# KiCad board polygonus-Shortage-Version.kicad_pcb (continued)
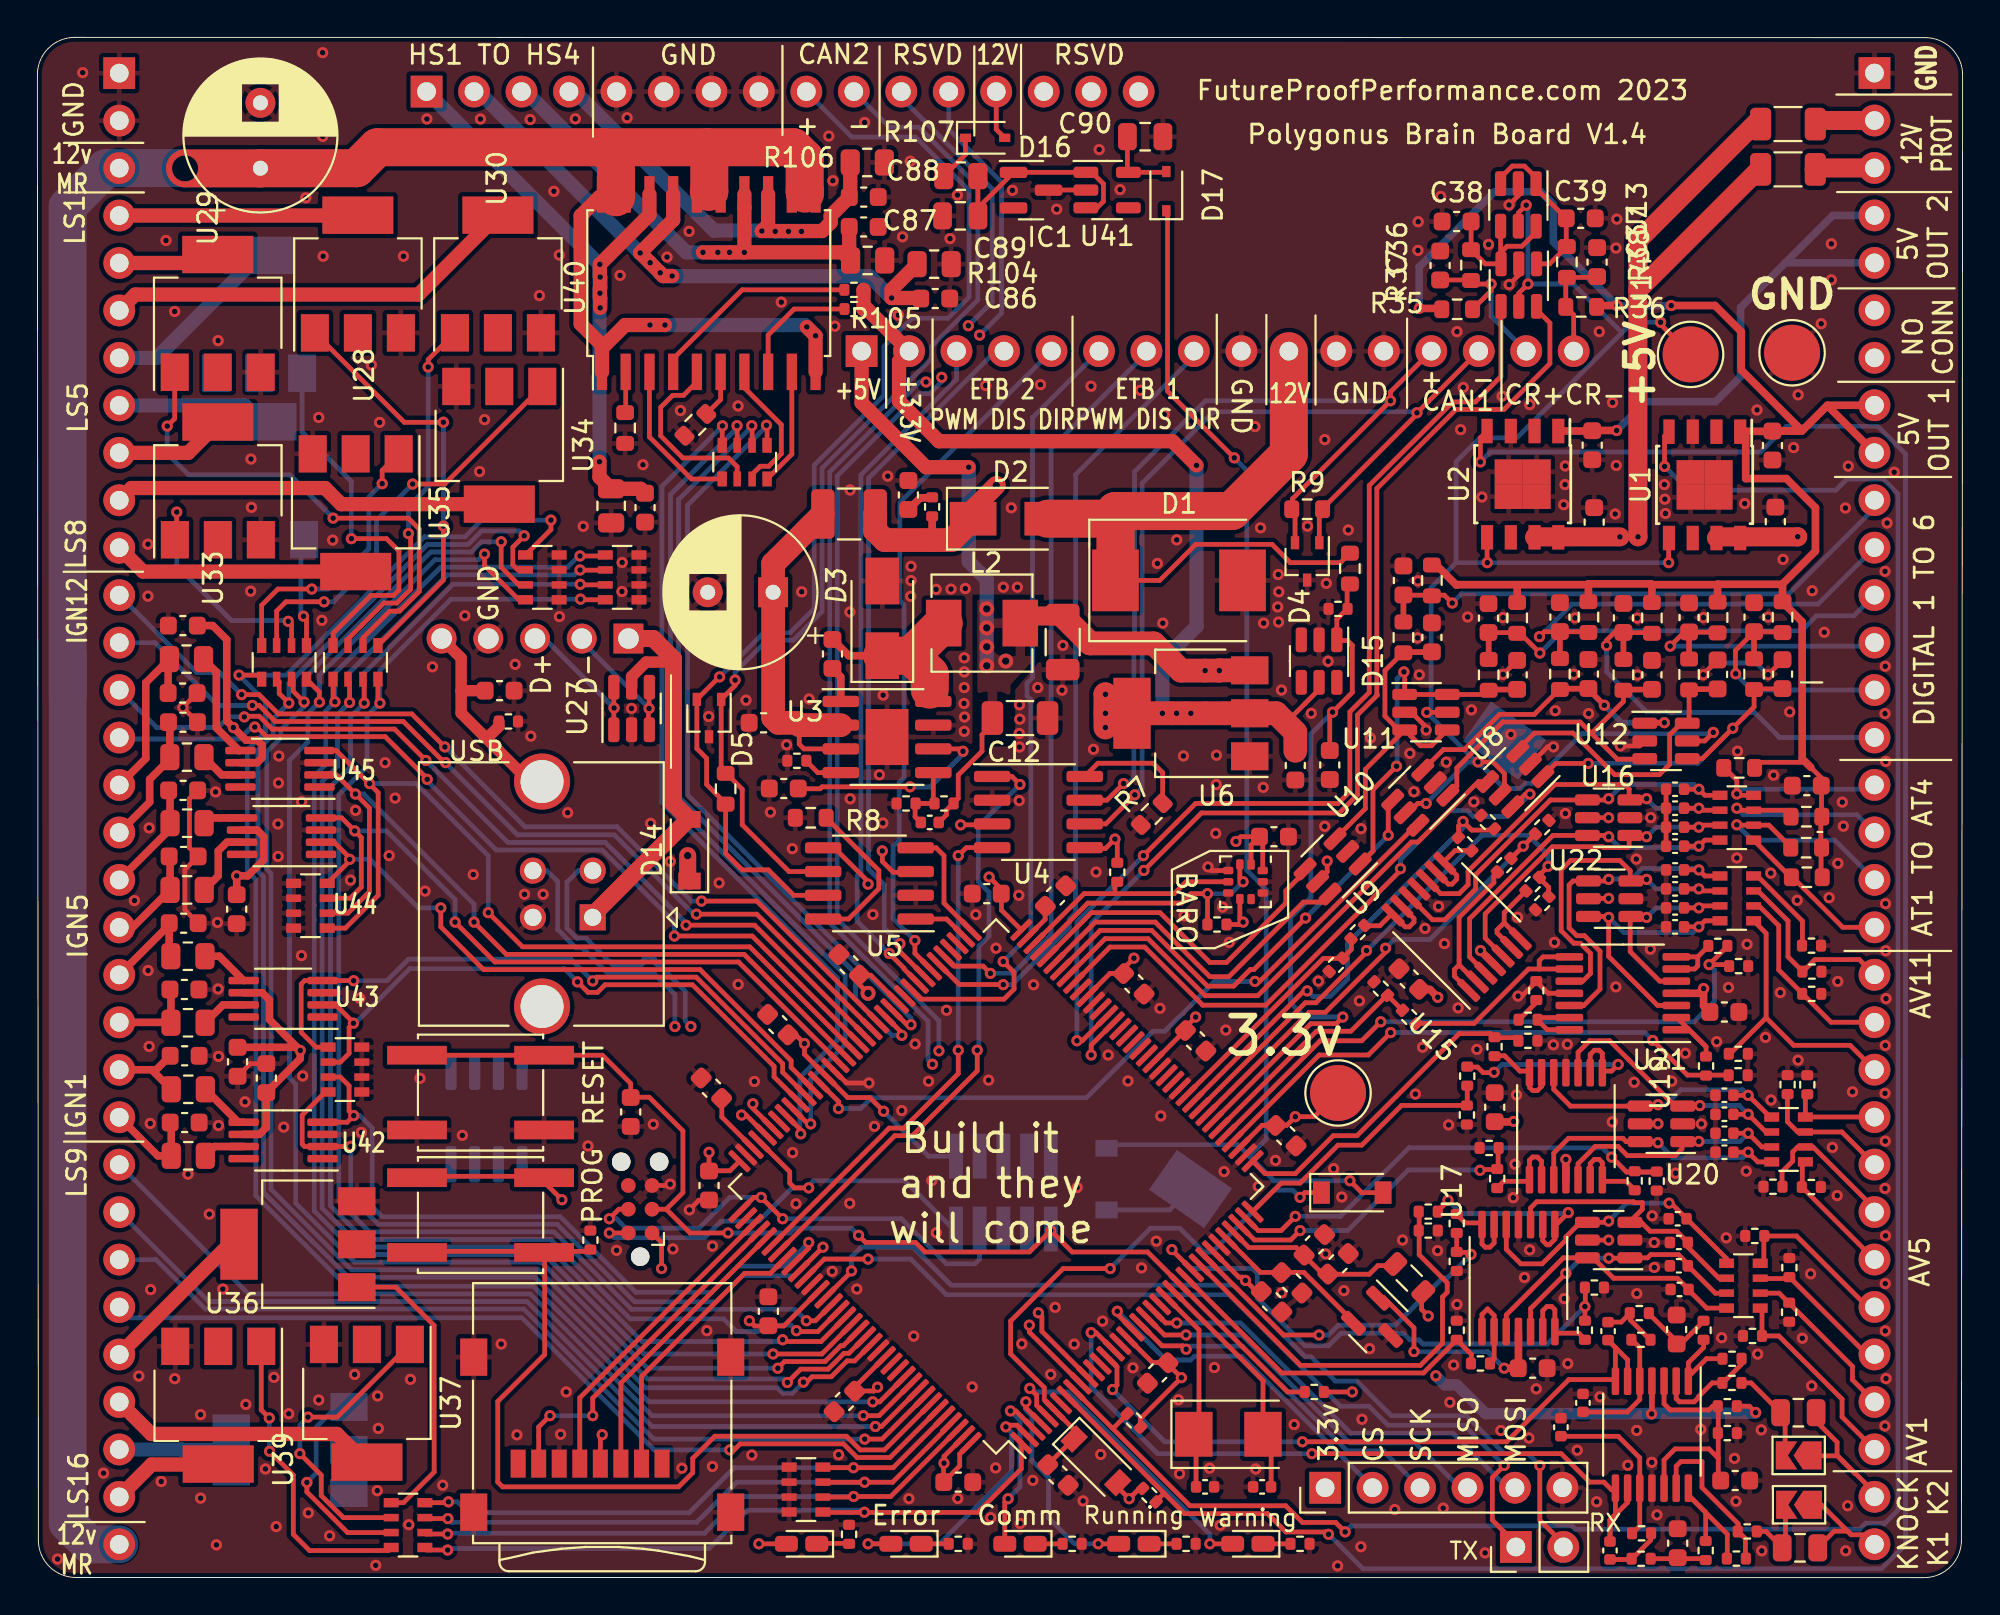
[diagram p0: board, top side]
## Routing (per net, layer and track width the routed paths; a pad name or vN(x,y) marks a point on that pad's centre or on a via; arc(x,y) is an arc through that point) (continued)
/mcu/AV5: length 16.9
  Top w0.254: v1(77.19,21.8) 77.23,21.84 78.11,21.84 78.16,21.9 78.16,23 ; v1(67.56,18.57) 67.06,18.07 65.12,18.07 U26.34
  Bottom w0.254: v1(77.19,21.8) 77.16,21.82 73.35,21.82 70.1,18.57 v1(67.56,18.57)
/mcu/AV6: length 25.8
  Top w0.254: v1(67.3,19.34) 66.54,18.57 65.32,18.57 U26.35 ; v1(84.23,22.5) 85.03,21.71 86.64,21.71 85.48,21.71 85.46,21.73
  Bottom w0.254: v1(67.3,19.34) 69.72,19.34 73.39,23.01 83.73,23.01 v1(84.23,22.5)
/mcu/AV7: length 14.9
  Top w0.254: U26.36 66.55,21.11 67.56,21.11 69.59,23.15 70.86,23.15 72.99,25.27 R73.2 76.5,25.29 76.5,26.36
/mcu/AV8: length 17.8
  Top w0.254: U26.37 65.69,21.62 67.3,21.62 69.34,23.65 70.61,23.65 76.07,29.12 77.74,29.12 77.96,28.9 79.1,28.9 79.27,28.73
/mcu/AV9: length 29.9
  Top w0.254: 90.5,26.9 88.28,26.9 v1(86.43,28.75) ; U26.40 68.58,27.97 71.21,27.97 v1(72.41,29.17)
  Bottom w0.254: v1(72.41,29.17) 86.01,29.17 v1(86.43,28.75)
/mcu/AV10: length 33.7
  Top w0.254: 90.4,33.81 90.4,33.76 v1(89.44,32.81) 90.46,32.81 90.54,32.73 ; v1(71.88,29.75) 70.86,28.73 68.63,28.73 U26.41
  Bottom w0.254: v1(71.88,29.75) 88.64,29.75 89.73,30.84 89.73,32.52 v1(89.44,32.81)
/mcu/AV11: length 13.1
  Top w0.254: 73.06,30.35 72.22,31.19 70.28,29.24 68.44,29.24 U26.42
/mcu/VDDA: length 9.9
  Top w0.254: U26.33 64.82,17.67 67.35,17.67 68.78,16.24 71.26,16.24 71.72,16.7 72.74,16.7
GND: length 41.1
  Top w0.254: C32.2 89.14,48.36 v1(89.14,48.32) ; U26.94 42.53,27.24 43.3,26.47 v1(44.5,26.47) ; U13.2 79.24,73.96 v1(78.74,73.47) ; v1(84.69,44.51) 85.73,44.51 U12.2 ; v1(78.75,69.2) 79.26,69.72 U14.2 ; C91.1 11.39,27.51 C92.1 ; v1(33.86,21.06) 33.79,20.99 J9.5 ; C31.2 93.37,49.1 v1(92.6,48.32) ; U41.2 54.11,74.26 IC1.3 ; v1(81.12,44.46) 80.8,44.46 U8.2 ; C96.2 7.89,35.74 7.89,37.89 C99.2 8.13,39.07 8.13,41.69 C100.2 ; C101.2 7.78,46.56 v1(7.78,46.57) 7.78,46.58 C102.2 ; 35.94,20.2 35.4,20.2 v1(34.88,19.68) ; v1(62.63,38.04) 62.83,37.84 U24.3 ; 87.14,42.2 87.14,39.15 ; 83.79,15.53 83.96,15.36 ; v1(79.22,31.12) 79.42,31.12 80.2,31.9 80.83,31.27 81.88,31.27 ; C33.2 v1(78.42,48.34) ; 73.16,46.32 73.51,46.32 74.31,45.52 v1(74.31,45.36)
  Bottom w0.254: J8.9 54.22,22.51 ; J8.3 50.41,22.51 ; J8.5 51.68,22.51 ; v1(89.14,48.32) 89.77,48.95 91.97,48.95 v1(92.6,48.32)
  vias: v1(1.08,0.99) v1(2.42,80.55) v1(3.54,5.59) v1(5.19,36.24) v1(5.43,10.79) v1(5.91,55.31) v1(5.92,52.53) v1(5.92,32.49) v1(5.98,40.12) v1(5.98,28.43) v1(6.04,24.31) v1(6.06,15.42) v1(6.63,5.14) v1(6.88,71.56) v1(7.35,67.77) v1(7.35,10.65) v1(8.06,21.59) v1(8.73,8.72) v1(8.73,4.25) v1(9.2,19.45) v1(9.54,42.05) v1(9.64,35.07) v1(9.58,1.75) v1(9.67,66.21) v1(9.67,31.51) v1(9.69,27.9) v1(9.69,24.2) v1(9.92,15.44) v1(10.24,79.51) v1(11.11,25.46) v1(11.15,9.27) v1(11.43,59.87) v1(11.45,57.28) v1(11.41,52.8) v1(12.2,5.82) v1(12.66,10.72) v1(12.78,2.73) v1(12.92,43.97) v1(12.9,42.53) v1(12.87,40.33) v1(12.88,38.6) v1(13.18,24.11) v1(13.45,8.77) v1(14.14,41.53) v1(14.13,33.29) v1(14.2,26.85) v1(14.36,73.85) v1(14.5,3.47) v1(15.05,62.09) v1(15.05,9.51) v1(15.26,81.62) v1(15.26,77.13) v1(15.22,51.24) v1(15.29,70.72) v1(15.64,2.24) v1(15.8,55.53) v1(16.75,37.33) v1(17.02,41.06) v1(16.98,10.88) v1(17.25,31.01) v1(17.34,23.83) v1(17.87,64.9) v1(18.1,0.66) v1(18.21,9.72) v1(18.24,7.99) v1(18.19,4.66) v1(18.31,61.83) v1(18.6,43.62) v1(18.82,38.64) v1(19.14,41.72) v1(19.59,70.72) v1(19.96,10.61) v1(19.87,2.83) v1(20.47,26.73) v1(20.74,36.74) v1(20.84,78.07) v1(21.14,48.75) v1(21.69,4.94) v1(22.74,23.67) v1(22.87,51.48) v1(23.32,37.63) v1(23.66,59.2) v1(23.71,78.07) v1(23.92,61.98) v1(24.82,12.5) v1(25.56,48.88) v1(25.66,7.64) v1(26.06,36.57) v1(26.37,78.04) v1(26.4,45.03) v1(26.86,68.61) v1(27.06,36.57) v1(27.64,74.2) v1(27.93,70.79) v1(27.93,51.44) v1(28,7.67) v1(28.29,9.94) v1(28.37,40.94) v1(28.78,78.08) v1(29.2,56.27) v1(29.46,23.1) v1(30.99,17.52) v1(31.18,69.7) v1(31.29,54.33) v1(31.28,52.78) v1(31.55,78.14) v1(31.79,46.52) v1(32.4,59.56) v1(32.81,40.37) v1(32.95,24.26) v1(33.69,70.68) v1(33.86,38.33) v1(34,17.59) v1(34.41,62.46) v1(34.49,5.86) v1(34.87,72.05) v1(35.82,13.22) v1(35.92,46.09) v1(36.12,17.74) v1(36.12,5.95) v1(36.48,37.18) v1(37.49,62.71) v1(37.5,31.75) v1(37.91,46.96) v1(38.23,6.56) v1(38.36,26.56) v1(39.22,40.97) v1(39.8,68.26) v1(40.09,44.57) v1(40.39,39.01) v1(40.41,22.75) v1(40.59,20.01) v1(40.89,52.76) v1(41.29,47.03) v1(42.35,77.15) v1(42.56,74.76) v1(42.53,16.39) v1(42.67,66.98) v1(42.87,6.58) v1(43.46,20.03) v1(43.48,58.21) v1(43.47,51.68) v1(43.48,41.68) v1(43.84,15.45) v1(44.26,77.88) v1(44.7,35.49) v1(44.79,24.15) v1(45.05,42.97) v1(45.25,47.23) v1(45.24,40.39) v1(45.5,58.95) v1(46.06,67.57) v1(46.25,25) v1(46.29,71.76) v1(46.63,4.23) v1(46.7,75.81) v1(46.74,54.13) v1(46.74,53.36) v1(46.73,52.52) v1(46.96,28.56) v1(46.89,12.93) v1(47.68,26.57) v1(47.86,21.25) v1(48.09,52.89) v1(48.1,18.46) v1(48.64,30.36) v1(48.83,71.67) v1(48.88,52.91) v1(49.23,74) v1(49.25,4.24) v1(49.65,52.94) v1(49.59,49.23) v1(49.59,48.48) v1(49.59,47.64) v1(49.58,46.78) v1(49.61,46.06) v1(49.59,45.29) v1(50.02,10.21) v1(50.21,35.48) v1(50.74,63.8) v1(50.9,26.62) v1(51.01,3.21) v1(51.29,33.69) v1(51.27,5.87) v1(51.68,53.01) v1(52.11,57.26) v1(52.17,74.25) v1(52.43,53.01) v1(52.55,46.71) v1(52.56,45.95) v1(52.53,45.18) v1(52.55,44.45) v1(52.53,41.59) v1(52.51,36.52) v1(52.58,2.9) v1(52.67,12.51) v1(53.26,5.21) v1(53.3,31.73) v1(53.53,47.64) v1(53.67,63.85) v1(54.22,10.88) v1(54.46,14.47) v1(54.54,73.24) v1(54.82,47.5) v1(54.87,49.89) v1(55.48,12.5) v1(55.63,20.88) v1(55.95,4.11) v1(56.37,63.76) v1(56.51,44.33) v1(56.64,37.76) v1(56.81,76.43) v1(56.89,6.59) v1(56.99,13.73) v1(57.29,27.97) v1(57.93,74.29) v1(58.35,26.58) v1(58.62,11.23) v1(59.02,63.55) v1(59.08,16.58) v1(59.87,18.01) v1(59.92,54.28) v1(60.06,30.47) v1(60.11,24.71) v1(60.22,51.08) v1(60.3,62.25) v1(60.96,55.54) v1(61.05,9.52) v1(61.11,5.56) v1(61.32,43.98) v1(61.35,35.42) v1(62.72,5.86) v1(63.05,39.83) v1(62.97,11.25) v1(63.09,44.02) v1(63.07,42.45) v1(63.29,2.81) v1(63.41,35.89) v1(63.49,21.74) v1(63.59,29.31) v1(63.77,34) v1(65.15,61.61) v1(65.19,5.82) v1(65.33,20.94) v1(65.44,56.19) v1(65.61,51.09) v1(65.59,42.29) v1(66.24,22.33) v1(66.36,51.95) v1(66.39,53.69) v1(66.42,52.76) v1(66.41,51.14) v1(66.57,47.5) v1(66.57,15.24) v1(67.24,8.19) v1(67.96,56.28) v1(68.16,46.26) v1(68.54,31.93) v1(68.88,60.91) v1(68.96,53.22) v1(68.88,40.21) v1(68.93,17.32) v1(69.06,49.04) v1(69.35,21.89) v1(69.57,0.63) v1(69.79,20.37) v1(69.9,15.36) v1(70.14,56.07) v1(70.73,30.87) v1(70.82,40.08) v1(70.81,1.65) v1(70.87,8.48) v1(71.32,44.94) v1(71.28,12.25) v1(72.63,3.64) v1(73.04,18.07) v1(73.43,44.11) v1(73.66,42.06) v1(73.73,25.88) v1(73.87,71.03) v1(73.86,53.35) v1(73.85,50.29) v1(73.88,72.57) v1(73.94,48.32) v1(74.11,28.39) v1(74.24,34.75) v1(74.92,17.5) v1(74.97,35.93) v1(75.09,73.92) v1(75.22,3.72) v1(75.28,33.93) v1(75.38,43.64) v1(75.51,24.23) v1(75.57,9.38) v1(75.78,11.38) v1(75.95,66.69) v1(75.95,14.62) v1(76.02,30.49) v1(76.15,61.44) v1(76.29,63.7) v1(76.53,51.42) v1(76.73,46.44) v1(76.86,41.52) v1(77.02,28.27) v1(77.29,57.83) v1(77.46,1.32) v1(77.64,71.35) v1(78.3,7.87) v1(78.37,63.23) v1(78.41,51.38) v1(78.84,45.13) v1(78.97,20.33) v1(79.06,22.13) v1(79.14,25.83) v1(79.2,35.34) v1(79.56,16.06) v1(79.85,62.78) v1(79.85,17.54) v1(79.8,7.47) v1(80.2,10.1) v1(81.12,28.52) v1(81.21,46.4) v1(81.17,34) v1(81.67,57.42) v1(81.75,59.5) v1(81.74,58.5) v1(81.75,40.89) v1(81.7,14.93) v1(81.86,28.54) v1(81.88,11.45) v1(82.2,48.35) v1(82.27,51.37) v1(82.39,6.82) v1(83,46.25) v1(83.43,4.06) v1(83.57,66.69) v1(83.61,9.68) v1(84.27,24.39) v1(84.28,62.89) v1(84.46,71.16) v1(84.42,56.93) v1(84.46,31.62) v1(84.51,72.71) v1(84.48,59.53) v1(85.09,6.01) v1(85.44,26.51) v1(85.55,38.46) v1(85.6,51.35) v1(85.62,48.31) v1(85.58,15.2) v1(85.57,7.88) v1(86.32,40.68) v1(86.3,33.63) v1(86.4,19.36) v1(86.38,6.17) v1(86.5,17.93) v1(86.51,16.6) v1(86.66,3.36) v1(87.05,58.5) v1(87.08,57.72) v1(87.11,56.95) v1(87.44,26.57) v1(87.65,21.65) v1(88.17,28.06) v1(89.03,24.28) v1(89,7.94) v1(89.14,51.38) v1(89.85,28.68) v1(90.12,12.84) v1(90.36,18.19) v1(90.48,31.59) v1(90.8,6.38) v1(90.96,44.23) v1(90.93,38.52) v1(90.88,4.09) v1(91.35,57.48) v1(91.43,21.75) v1(91.47,33.9) v1(92.01,62.49) v1(92.05,11.96) v1(92.24,7.91) v1(92.26,1.44) v1(92.46,28.91) v1(92.6,51.41) v1(92.74,37.7) v1(92.76,25.56) v1(92.9,42.95) v1(93.25,31.31) v1(93.4,54.5) v1(93.62,68.96) v1(93.76,46.34) v1(93.97,60.48) v1(94.16,36.25) v1(94.21,63.3) v1(94.2,27.7) v1(94.43,12.81) v1(94.96,52.82) v1(94.88,16.26) v1(94.93,10.26) v1(95.44,67.11) v1(95.6,50.6) v1(95.87,36.39) v1(95.98,71.39) v1(95.98,69.46) v1(96.04,23.03) v1(96.34,38.23) v1(96.33,31.91) v1(96.3,20.45) v1(96.57,41.5) v1(96.63,40.22) v1(96.74,57.25) v1(96.75,1.43) v1(96.86,3.85) v1(96.89,59.49) v1(97.12,26) v1(98.86,53.86) v1(98.86,46.24) v1(98.86,25.92) v1(98.86,20.83) v1(98.85,8.12) v1(98.87,48.78) v1(98.9,43.68) v1(98.88,36.07) v1(98.9,33.55) v1(98.91,30.99) v1(98.87,28.48) v1(98.87,23.36) v1(98.88,18.3) v1(98.87,15.74) v1(98.87,13.2) v1(98.91,10.66) v1(98.97,56.45) v1(99.35,59.16)
/AT1: length 8.4
  Top w0.254: J5.19 96.6,34.81 93.92,37.49 93.81,37.49 RN1.1
/AT2: length 12
  Top w0.254: v1(90.93,40.29) 90.95,40.27 RN1.2 92.65,40.27 93.85,39.07
  Bottom w0.254: J5.18 96.17,39.47 91.75,39.47 v1(90.93,40.29)
/AT3: length 11
  Top w0.254: v1(90.93,41.18) 91.03,41.07 RN1.3 93.52,41.07 93.86,40.73
  Bottom w0.254: v1(90.93,41.18) 91.27,40.83 97.35,40.83 J5.17
/AT4: length 10.2
  Top w0.254: RN1.4 91,41.87 v1(90.93,41.94) 90.93,42.68 90.27,43.34
  Bottom w0.254: J5.16 98.06,42.2 91.18,42.2 v1(90.93,41.94)
/CAN2+: length 61.1
  Top w0.254: U5.7 40.47,36.52 39.11,37.88 37.71,37.88 36.82,38.77 36.82,41.43 35.81,42.45 35.81,43.85 35.29,44.37 D5.2 36.49,48.21 v1(36.5,48.21)
  Bottom w0.254: J7.9 43.58,77.1 46.98,77.1 49.85,74.24 49.85,68.53 48.72,67.4 46.8,67.4 45.3,65.9 45.3,63.28 41.56,59.54 41.56,51.86 40.28,50.58 38.87,50.58 v1(36.5,48.21)
/CAN2-: length 55.3
  Top w0.254: v1(37.33,48.04) 37.33,47.75 D5.1 36.59,43.25 36.82,43.01 36.9,43.01 37.71,42.2 37.71,40.29 40.22,37.79 U5.6
  Bottom w0.254: v1(37.33,48.04) 37.33,48.47 39.04,50.17 40.45,50.17 41.99,51.71 41.99,59.39 47.84,65.25 47.84,65.9 50.32,68.38 50.32,74.47 47.16,77.63 45.59,77.63 J7.10
/CAN+: length 48.2
  Top w0.254: v1(58.11,42.5) 57.22,41.61 U4.7 ; J6.13 72.4,63.46 v1(72.4,62.99) 67.15,57.74 67.15,57.18 67.29,57.04 D4.2
  Bottom w0.254: v1(72.4,62.99) 62.5,62.99 58.7,59.19 58.7,50.23 58.67,50.19 58.67,42.81 58.36,42.5 v1(58.11,42.5)
/CAN-: length 50.3
  Top w0.254: J6.14 73.82,62.34 v1(73.81,62.34) 73.81,62.27 68.59,57.04 68.59,55.39 ; v1(58.72,41.89) 57.16,40.34 U4.6
  Bottom w0.254: v1(73.81,62.34) 73.75,62.4 62.94,62.4 59.11,58.58 59.11,42.29 v1(58.72,41.89)
/DIGITAL_1: length 21.5
  Top w0.254: 86.39,50.58 84.37,50.58 83.96,50.17 v1(83.96,49.89)
  Top w0.305: 84.86,49.11 84.86,50.58
  Bottom w0.254: v1(83.96,49.89) 83.96,48.48 86.1,46.34 87.29,46.34 87.32,46.31 91.87,46.31 93.21,44.97 J5.15
/DIGITAL_2: length 13.4
  Top w0.254: 93.37,50.62 91.85,50.62 90.86,49.62 90.86,48.38 v1(90.87,48.37)
  Top w0.305: 91.85,50.62 91.85,49.14
  Bottom w0.254: v1(90.87,48.37) 91.73,47.51 J5.14
/DIGITAL_3: length 15.3
  Top w0.254: v1(87.36,49.85) 88.11,50.6 89.9,50.6
  Top w0.305: 88.37,49.13 88.37,50.6
  Bottom w0.254: J5.13 98.1,49.85 v1(87.36,49.85)
/DIGITAL_4: length 23.8
  Top w0.254: v1(80.39,49.48) 79.3,50.58 77.65,50.58 77.64,50.57
  Top w0.305: 77.65,49.11 77.65,50.56 77.64,50.57
  Bottom w0.254: J5.12 97.18,51.48 95.18,51.48 94.38,50.68 ; v1(80.39,49.48) 81.59,50.68 94.35,50.68
/DIGITAL_5: length 24.1
  Top w0.254: v1(80.37,50.36) 80.63,50.62 82.99,50.62
  Top w0.305: 81.46,50.62 81.46,49.15
  Bottom w0.254: J5.11 95.27,52.1 82.11,52.1 v1(80.37,50.36)
/DIGITAL_6: length 29.4
  Top w0.254: 73.09,52.58 75.28,52.58 v1(75.7,52.16)
  Top w0.305: 73.09,51.11 73.09,52.58
  Bottom w0.254: v1(75.7,52.16) 76.2,52.66 93.72,52.66 98.29,57.23 J5.10
/ETB1_DIR: length 37.6
  Top w0.254: v1(46.95,34.1) 46.95,33.41 U26.79
  Bottom w0.254: v1(46.95,34.1) 45.78,35.27 45.78,38.65 45.79,38.65 45.79,39.13 46.11,39.46 46.11,42.57 46.37,42.83 46.37,52.06 46.15,52.28 46.15,57.55 52.88,64.27 ; 52.89,64.28 J6.5
/ETB1_DIS: length 38
  Top w0.254: v1(46.15,33.93) 46.15,33.51 U26.80
  Bottom w0.254: J6.4 51.27,65.64 44.74,59.11 44.73,59.11 44.47,58.85 44.47,37.92 45.31,37.08 45.31,34.77 v1(46.15,33.93)
/ETB1_PWM: length 37.4
  Top w0.254: v1(45.58,33.41) 46.37,32.61 46.37,32.57 U26.81
  Bottom w0.254: J6.3 49.18,64.13 44.06,59.02 44.06,37.76 43.87,37.56 43.87,35.12 v1(45.58,33.41)
/ETB2_DIR: length 42.4
  Top w0.254: U26.78 49.33,31.74 51.21,31.74 51.22,31.74 v1(51.68,31.74)
  Bottom w0.254: J6.8 61.88,65.36 55.55,59.03 55.55,35.59 55.21,35.25 55.21,34.8 52.15,31.74 v1(51.68,31.74)
/ETB2_DIS: length 40.3
  Top w0.254: v1(50.99,32.34) 50.6,32.73 49.05,32.73 U26.77
  Bottom w0.254: v1(50.99,32.34) 52.18,32.34 54.24,34.39 54.24,60.43 59.34,65.54 J6.7
/ETB2_PWM: length 42.6
  Top w0.254: v1(51.68,32.97) 52.26,32.39 52.26,31.5 51.72,30.96 47.28,30.96 U26.82
  Bottom w0.254: J6.6 53.24,62.09 53.24,48.17 52.95,47.88 52.95,47.2 53.16,46.99 53.16,46.83 53.15,46.82 53.15,34.44 v1(51.68,32.97)
/highside_quad/IN1: length 46.4
  Top w0.254: v1(40.84,23.75) 40.84,23.96 U26.101 ; v1(36.65,61.64) 36.64,61.63 RN11.4
  Bottom w0.254: v1(36.65,61.64) 33.41,58.4 33.41,41.48 42.81,32.08 42.81,28.78 40.79,26.76 40.79,23.8 v1(40.84,23.75)
/highside_quad/IN2: length 45.9
  Top w0.254: v1(37.43,61.65) 37.44,61.64 RN11.3 ; v1(41.37,24.28) 41.23,24.28 U26.100
  Bottom w0.254: v1(37.43,61.65) 37.43,61.53 33.88,57.97 33.88,41.59 43.22,32.25 43.22,28.52 41.37,26.68 v1(41.37,24.28)
/highside_quad/IN3: length 42
  Top w0.254: RN11.2 38.24,61.63 v1(38.22,61.65) ; U26.86 46.25,29.16 v1(46.25,29.02)
  Bottom w0.254: v1(46.25,29.02) 45.74,29.02 43.77,30.99 43.77,32.34 34.3,41.81 34.3,57.69 38.22,61.62 v1(38.22,61.65)
/highside_quad/IN4: length 41.3
  Top w0.254: v1(46.74,29.59) 46.53,29.59 U26.85 ; RN11.1 39.04,61.65 v1(39.01,61.68)
  Bottom w0.254: v1(46.74,29.59) 46.74,29.94 34.79,41.89 34.79,57.4 39.01,61.62 v1(39.01,61.68)
/HS1: length 34.5
  Top w0.762: C85.1 32.28,58.28 R103.1 30.07,58.9 v1(30.07,59.72) ; U40.18 32.75,72.94 v1(30.1,70.29) 30.1,69.63 v1(30.11,69.61) 30.11,69.04 30.1,69.03 v1(30.1,68.74) 30.1,68.49 30.11,68.47 v1(30.11,67.96)
  Bottom w0.762: v1(30.07,59.72) 30.07,70.27 v1(30.1,70.29) 30.07,70.29 J7.1
/HS2: length 37
  Top w0.762: U40.17 34.02,72.66 v1(32.25,70.9) 32.26,70.9 v1(32.78,70.38) v1(33.32,69.84) 33.32,69.82 33.48,69.67 v1(33.96,69.67) ; C86.1 47.23,68.49 v1(45.7,68.49) 45.7,68.94 R104.1
  Bottom w0.762: J7.2 23.61,79.54 32.25,70.9 v1(32.25,70.9) 33.5,69.65 44.54,69.65 v1(45.7,68.49)
/HS3: length 28.5
  Top w0.762: v1(37.83,70.93) 37.03,70.93 v1(37.03,70.93) v1(36.41,70.93) v1(35.61,70.93) ; v1(37.83,70.93) 37.83,73.33 37.83,73.33 U40.14 ; v1(37.83,70.93) 43.08,70.93 R105.1 43.43,70.57 C87.1
  Bottom w0.762: v1(37.83,70.93) 37.82,70.93 34.72,70.93 26.12,79.54 J7.3
/HS4: length 25.2
  Top w0.762: U40.13 39.1,72.41 v1(38.76,72.07) 41.99,72.07 42.45,72.53 42.45,72.89 C88.1 43.49,73.94 R106.1
  Bottom w0.762: v1(40.88,72.05) v1(40.19,72.05) v1(39.48,72.05) 39.46,72.07 v1(38.76,72.07) 38.74,72.09 36.21,72.09 28.77,79.54 J7.4
/IGN1: length 5.4
  Top w0.405: J4.23 6.45,22.58 R108.1 7.16,24.3 C93.1
/ign1/IN1: length 39.4
  Top w0.254: v1(16.77,23.08) 16.75,23.07 U42.2 14.3,23.07 14.17,23.2 14.17,24.75 15.41,25.99 RN12.8 ; v1(42.03,17.69) 42.03,17.69 U26.118
  Bottom w0.254: v1(42.03,17.69) 40.51,16.16 37.71,16.16 36.32,14.76 31.96,14.76 27.81,18.91 18.24,18.91 16.77,20.39 v1(16.77,23.08)
/ign1/IN2: length 38.2
  Top w0.254: RN12.7 16.21,26.79 16.68,26.32 16.68,24.98 v1(16.93,24.73) 16.57,24.37 U42.4 ; U26.117 41.27,17.63 v1(41.27,17.94)
  Bottom w0.254: v1(16.93,24.73) 17.25,24.73 17.92,24.07 17.92,19.85 18.45,19.32 27.97,19.32 32.02,15.27 36.06,15.27 37.46,16.67 40,16.67 v1(41.27,17.94)
/ign1/IN3: length 33.8
  Top w0.254: U26.99 39.42,26.8 39.42,27.36 35.05,31.73 30.37,31.73 29.97,31.32 29.46,31.32 v1(28.9,31.88) ; RN12.6 16.21,27.59 16.68,28.06 16.68,29.44 v1(16.91,29.67) 16.91,29.71 15.96,30.66 U43.2
  Bottom w0.254: v1(16.91,29.67) 17,29.67 19.92,32.59 28.19,32.59 v1(28.9,31.88)
/ign1/IN4: length 35.3
  Top w0.254: 16.91,31.96 U43.4 14.31,31.96 14.12,31.77 14.12,29.18 14.9,28.39 RN12.5 ; v1(29.71,31.93) 29.92,32.14 35.25,32.14 39.87,27.51 39.87,27.05 U26.98
  Bottom w0.254: v1(16.92,31.95) 18.7,31.95 19.86,33.1 28.54,33.1 v1(29.71,31.93)
/IGN2: length 4.5
  Top w0.405: 6.12,27.18 6.36,27.18 C94.1 ; 6.12,27.18 R109.1 ; 6.12,27.18 J4.22
/ign2/IN1: length 34.4
  Top w0.254: U44.2 15.87,39.36 16.71,38.53 16.71,38.36 RN13.8 ; v1(21.58,35.85) 21.58,34.83 23.87,32.54 35.45,32.54 40.33,27.67 40.33,27.3 U26.97
  Bottom w0.254: v1(21.58,35.85) 20.39,35.85 17.79,38.44 v1(16.71,38.44)
/ign2/IN2: length 39
  Top w0.254: U44.4 16.28,40.66 17.33,39.62 17.33,36.96 16.73,36.36 RN13.7 ; v1(22.35,35.08) 24.48,32.95 37.51,32.95 U26.93
  Bottom w0.254: v1(22.35,35.08) 22.35,36.3 18.68,39.97 v1(16.98,39.97)
/ign2/IN3: length 43.2
  Top w0.254: U26.92 37.81,33.36 25.09,33.36 v1(23.36,35.08) ; U45.2 15.99,42.97 17.77,41.19 17.77,36.71 16.62,35.56 RN13.6
  Bottom w0.254: v1(23.36,35.08) 23.36,36.04 17.47,41.94 v1(17.02,41.94)
/ign2/IN4: length 46.5
  Top w0.254: U45.4 15.98,44.27 18.23,42.02 18.23,36.52 16.48,34.76 RN13.5 ; v1(24.12,35.59) 25.96,33.76 38.12,33.76 U26.91
  Bottom w0.254: v1(24.12,35.59) 24.12,38.64 20.27,42.5 v1(17.77,42.5)
/IGN3: length 4.6
  Top w0.405: J4.21 7.13,29.72 R110.1 7.15,31.42 C95.1
/IGN4: length 5.7
  Top w0.406: R111.1 7.05,33.34 C96.1 7.05,34.93 J4.20
/IGN5: length 5.4
  Top w0.406: J4.19 5.1,34.8 R112.1 7.1,38.55 C99.1
/IGN6: length 5.9
  Top w0.405: C100.1 7.1,42.06 R113.1 7.1,40.06 J4.18
/IGN7: length 7.1
  Top w0.405: C101.1 7.09,45.71 R114.1 7.09,43.8 6.01,42.73 6.01,41.51 J4.17
/IGN8: length 9.7
  Top w0.405: J4.16 5.8,43.84 5.8,47.9 R115.1 7,49.09 C102.1
/IGN9: length 47.3
  Top w0.254: v1(20.86,42.73) 20.86,42.76 18.61,45.01 12.26,45.01 11.75,45.52 v1(11.63,45.52) ; U26.90 38.24,34.34 v1(34.08,34.34)
  Bottom w0.254: v1(34.08,34.34) 34.08,35.08 30.22,38.94 24.55,38.94 20.86,42.64 v1(20.86,42.73) ; v1(11.63,45.52) 11.46,45.52 10.82,44.89 4.45,44.89 J4.15
/IGN10: length 48.1
  Top w0.254: v1(11.07,46.07) 11.11,46.1 11.87,46.1 12.56,45.42 19.11,45.42 v1(20.79,43.74) ; v1(34.71,34.92) 38.37,34.92 U26.89
  Bottom w0.254: v1(34.71,34.92) 34.71,35.03 30.39,39.35 25.18,39.35 v1(20.79,43.74) ; v1(11.07,46.07) 11.06,46.08 10.25,46.08 9.67,45.5 6.38,45.5 J4.14
/IGN11: length 48.8
  Top w0.254: v1(21.84,43.62) 21.78,43.62 19.58,45.82 12.73,45.82 11.87,46.68 v1(11.5,46.68) ; v1(35.26,35.51) 38.49,35.51 U26.88
  Bottom w0.254: v1(35.26,35.51) 35.12,35.51 30.87,39.75 25.69,39.75 21.84,43.6 v1(21.84,43.62) ; J4.13 6.3,50.04 9.65,46.68 v1(11.5,46.68)
/IGN12: length 50.1
  Top w0.254: v1(35.53,36.21) 38.49,36.21 44.99,29.72 U26.87 ; v1(10.93,47.26) 11.86,47.26 12.9,46.23 20.03,46.23 v1(21.8,44.46)
  Bottom w0.254: v1(10.93,47.26) 9.74,48.44 8.53,48.44 7.16,49.81 7.16,49.81 J4.12 ; v1(21.8,44.46) 21.82,44.46 26.09,40.19 31.01,40.19 34.99,36.21 v1(35.53,36.21)
/Keep_Alive/Keep_Alive: length 69.1
  Top w0.254: D7.2 70.86,20.61 v1(70.23,21.24) ; v1(64.04,59.93) 60.47,63.5 60.47,73.09 D17.1
  Bottom w0.254: D6.1 57.4,23.17 64.23,23.17 64.84,22.56 ; 64.84,22.56 66.16,21.24 v1(70.23,21.24) ; 64.84,22.56 65.75,23.47 65.75,36.82 64.71,37.86 64.71,59.26 v1(64.04,59.93)
/knock/FILTERED_1: length 36.3
  Top w0.254: U26.14 57.76,11.29 57.76,10.3 v1(57.53,10.07) ; v1(67.69,7.27) 78.61,7.27 81.94,10.6 84.43,10.6 84.43,12.31 84.04,12.71 85.08,11.66 85.08,10.6
  Bottom w0.254: v1(67.69,7.27) 60.32,7.27 v1(57.53,10.07)
/knock/FILTERED_2: length 40.9
  Top w0.254: U26.15 56.64,13.11 v1(56.38,13.11) ; v1(68.19,6.64) 81.53,6.64 83.05,5.11 83.81,5.11 84.23,4.7 84.43,4.7 84.43,3.38 84.14,3.09 84.14,1.94 84.14,3.08 85.08,4.02 85.08,4.7
  Bottom w0.254: v1(56.38,13.11) 56.38,10.19 59.94,6.64 v1(68.19,6.64)
/knock/V_mid: length 13.4
  Top w0.254: 89.93,6.39 89.93,7.73 89.94,7.74 89.93,7.74 89.93,9.18 89.64,9.18 89.44,8.97 87.36,8.97 87.03,9.3 87.03,10.6 ; 89.93,6.39 89.44,6.89 87.62,6.89 87.03,6.3 87.03,4.7 ; 89.93,6.39 89.93,5.31 90.05,5.2
/KNOCK_1: length 8.5
  Top w0.254: 97.27,5.56 96.31,6.52 94.98,6.52 JP1.1 ; 97.27,5.56 96.29,6.54 96.29,7.25 95.16,8.38 95.16,8.83 ; 97.27,5.56 97.29,5.56 98.29,4.56 J5.31
/KNOCK_2: length 6.4
  Top w0.254: 97.05,2.29 97.79,2.29 J5.32 ; 97.05,2.29 96.86,2.49 96.14,2.49 95.24,1.59 ; 97.05,2.29 95.44,3.9 JP2.1
/lowside_quad1/IN1: length 73.7
  Top w0.254: U26.123 41.63,13.75 v1(41.14,13.75) ; v1(18.33,46.81) 18.22,46.91 RN6.4 ; v1(29.06,52.37) 29.1,52.33 RN5.8
  Bottom w0.254: v1(41.14,13.75) 40.53,14.36 31.79,14.36 27.64,18.51 17.76,18.51 16.13,20.14 16.13,41.9 17.64,43.4 17.64,46.12 v1(18.33,46.81) 18.33,48.56 22.13,52.37 29.06,52.37 v1(29.06,52.37)
/lowside_quad1/IN2: length 76.2
  Top w0.254: v1(29.04,53.16) 29.07,53.13 RN5.7 ; v1(40.61,13.22) 40.66,13.17 41.76,13.17 U26.124 ; v1(17.49,46.81) 17.49,47.94 17.42,48.01 RN6.3
  Bottom w0.254: v1(40.61,13.22) 40.31,13.52 38.88,13.52 38.53,13.17 37.4,13.17 36.72,13.85 31.72,13.85 27.47,18.1 17.48,18.1 15.69,19.9 15.69,42.33 16.75,43.39 16.75,46.06 v1(17.49,46.81) 17.47,46.82 17.47,48.41 22.23,53.16 v1(29.04,53.16)
/lowside_quad1/IN3: length 78.1
  Top w0.254: RN6.2 16.62,48.01 16.7,47.93 v1(16.7,46.84) ; v1(39.87,12.73) 39.97,12.64 41.93,12.64 U26.125 ; v1(29.03,53.93) 29.04,53.92 30.37,53.92 RN5.6
  Bottom w0.254: v1(29.03,53.93) 28.99,53.93 28.73,53.67 21.93,53.67 16.7,48.45 v1(16.7,46.84) 16.06,46.2 16.06,43.43 15.23,42.6 15.23,19.77 17.31,17.7 27.3,17.7 32.36,12.64 39.78,12.64 v1(39.87,12.73)
/lowside_quad1/IN4: length 80.2
  Top w0.254: RN5.5 30.33,54.68 v1(29.03,54.68) ; U26.126 41.97,11.97 v1(39.36,11.97) ; RN6.1 15.82,46.97 v1(15.92,46.87)
  Bottom w0.254: v1(39.36,11.97) 32.45,11.97 27.13,17.29 17.14,17.29 14.82,19.62 14.82,42.91 15.43,43.52 15.43,46.38 v1(15.92,46.87) 15.92,48.42 21.58,54.08 28.37,54.08 28.97,54.68 v1(29.03,54.68)
/lowside_quad2/IN1: length 80.3
  Top w0.254: v1(39.62,11.21) 39.97,11.56 42.14,11.56 42.99,12.41 43.12,12.41 U26.127 ; RN8.4 15.09,47.4 v1(15.09,46.86) ; RN7.8 25.76,52.33 23.93,54.17 v1(23.93,54.78)
  Bottom w0.254: v1(39.62,11.21) 32.64,11.21 26.97,16.88 16.98,16.88 13.82,20.04 13.82,26.41 13.49,26.74 13.49,43.74 14.47,44.72 14.47,46.24 v1(15.09,46.86) 15.09,48.29 21.28,54.49 23.63,54.49 v1(23.93,54.78)
/lowside_quad2/IN2: length 83.5
  Top w0.254: v1(14.27,46.86) 13.69,47.44 13.69,48 RN8.3 ; U26.128 43.42,12.01 43.16,12.01 42.31,11.16 40.84,11.16 v1(40.13,10.45) ; RN7.7 25.76,53.13 24.82,54.08 v1(24.82,55.44)
  Bottom w0.254: v1(24.82,55.44) 23.76,55.44 23.22,54.89 21.05,54.89 14.27,48.12 v1(14.27,46.86) 14.27,46.62 13.02,45.37 13.02,44.95 12.28,44.2 12.28,37.92 12.5,37.69 12.5,20.79 16.81,16.48 26.8,16.48 32.65,10.63 39.94,10.63 v1(40.13,10.45)
/lowside_quad2/IN3: length 86.4
  Top w0.254: RN7.6 25.71,53.93 25.44,54.21 25.44,55.15 v1(26.05,55.76) ; v1(40.98,10.46) 41.16,10.46 41.45,10.75 42.48,10.75 43.32,11.6 43.72,11.6 U26.129 ; RN8.2 12.94,47.95 12.94,47.32 v1(13.45,46.81)
  Bottom w0.254: v1(26.05,55.76) 25.79,56.02 23.77,56.02 23.05,55.3 20.88,55.3 13.45,47.87 v1(13.45,46.81) 12.62,45.97 12.62,45.12 11.8,44.3 11.8,37.81 12.09,37.52 12.09,20.62 16.64,16.07 26.63,16.07 32.54,10.16 39.6,10.16 39.89,9.87 40.39,9.87 v1(40.98,10.46)
/lowside_quad2/IN4: length 92.7
  Top w0.254: v1(10.79,48.3) 11.78,48.3 RN8.1 ; RN7.5 27.48,56.09 v1(27.48,56.6) ; U26.134 45.07,9.41 v1(44.7,9.41)
  Bottom w0.254: v1(27.48,56.6) 23.78,56.6 22.88,55.7 20.71,55.7 13.31,48.3 v1(10.79,48.3) 12.21,46.88 12.21,45.28 11.23,44.31 11.23,37.81 11.69,37.35 11.69,20.45 16.54,15.59 26.53,15.59 32.72,9.41 v1(44.7,9.41)
/lowside_quad4/IN1: length 31.8
  Top w0.254: U26.140 45.79,5.88 v1(43.67,5.88) 42.05,5.88 RN9.8 ; v1(21.99,4.06) 21.95,4.01 RN10.4
  Bottom w0.254: v1(21.99,4.06) 22.48,4.06 23.07,3.47 34.87,3.47 37.29,5.88 v1(43.67,5.88)
/lowside_quad4/IN2: length 32.7
  Top w0.254: U26.141 48.88,8.23 45.75,5.1 v1(44.26,5.1) 42.03,5.1 RN9.7 ; v1(21.96,3.16) 20.78,3.16 RN10.3
  Bottom w0.254: v1(21.96,3.16) 22.17,2.96 35.27,2.96 37.42,5.1 v1(44.26,5.1)
/lowside_quad4/IN3: length 32.5
  Top w0.254: RN9.6 43.65,4.31 v1(43.68,4.34) 45.66,4.34 U26.142 ; RN10.2 20.81,2.33 v1(21.95,2.33)
  Bottom w0.254: v1(21.95,2.33) 22,2.38 35.7,2.38 37.66,4.34 v1(43.68,4.34)
/lowside_quad4/IN4: length 37.5
  Top w0.254: U26.1 52.65,5.83 50.31,3.49 44.26,3.49 v1(44.25,3.5) 44.24,3.49 42.05,3.49 RN9.5 ; v1(21.95,1.48) 20.87,1.48 RN10.1
  Bottom w0.254: v1(44.25,3.5) 44.14,3.61 37.99,3.61 35.94,1.56 22.04,1.56 v1(21.95,1.48)
/LS1: length 12.7
  Top w0.762: J4.4 17.13,72.9
/LS2: length 5.5
  Top w0.762: J4.5 9.2,70.36 U29.4
/LS3: length 22.4
  Top w0.762: J4.6 5.23,68.67 20.39,68.67 U30.4
/LS4: length 9.8
  Bottom w0.762: J4.7 6.38,65.28 U31.4
/LS5: length 8
  Bottom w0.762: U32.4 11.08,62.74 J4.8